# Altium PCB GE21_M1_pku_f100.PcbDoc (part 17 of 19)
Units mm, origin at the board's own origin, x right, y up, seen from the top; angles counter-clockwise.
Board outline 423.9 x 668.59 mm, 8 copper layers (Top Layer, Signal 1, DGNG1, POWER, AGND, DGND2, Signal 2, Bottom Layer), stack 1.03 mm thick; 171 components, 336 nets, 2040 pads, 4872 vias.
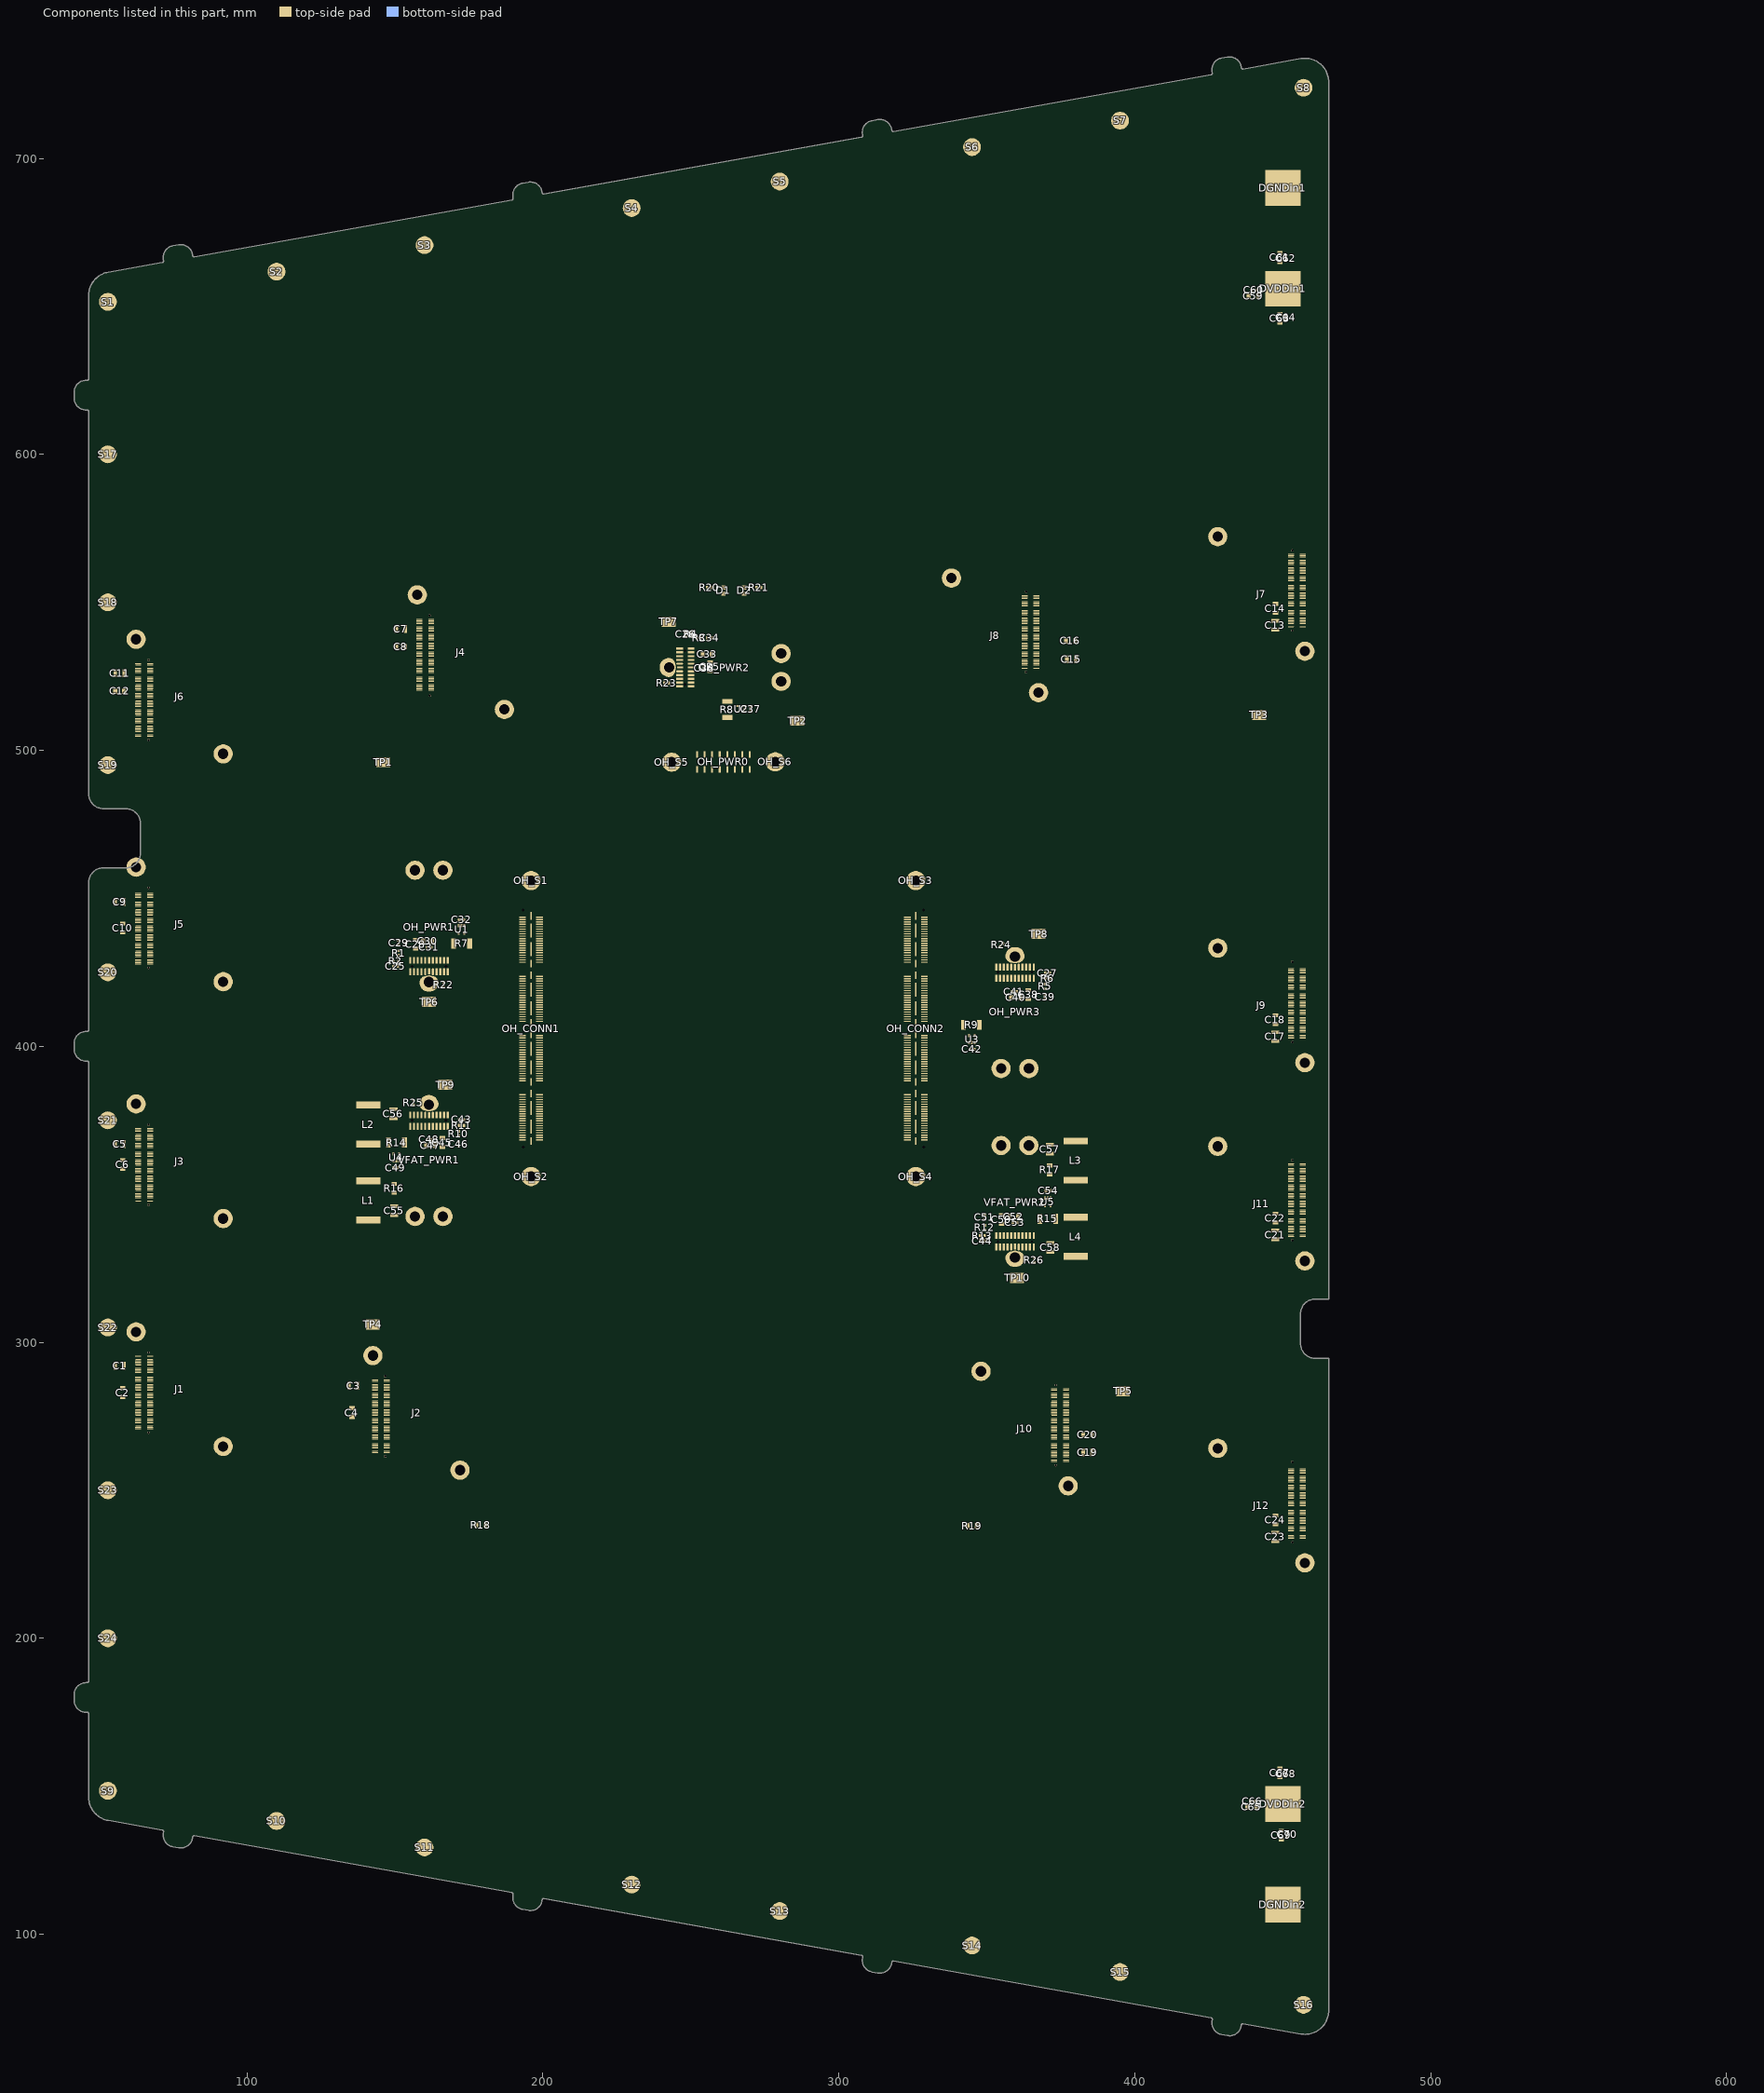
[diagram p23: the components of this part, seen from the top]

## Via types
v1: diameter 0.508, hole 0.203, Top Layer to Bottom Layer, tented both sides, 1688 vias
v2: diameter 0.402/0.402/0.402/0.201 (per signal layer), hole 0.201, Top Layer to Bottom Layer, tented both sides, 1040 vias
v3: diameter 0.507, hole 0.202, Top Layer to Bottom Layer, tented both sides, 780 vias
v4: diameter 0.4, hole 0, Top Layer to Bottom Layer, tented both sides, 438 vias
v5: diameter 0.4, hole 0.2, Top Layer to Bottom Layer, tented both sides, 288 vias
v6: diameter 0.51, hole 0.204, Top Layer to Bottom Layer, tented both sides, 288 vias
v7: diameter 0.6/0.4/0.4/0.4 (per signal layer), hole 0.3, Top Layer to Bottom Layer, tented both sides, 254 vias
v8: diameter 0.402, hole 0.201, Top Layer to Bottom Layer, tented both sides, 96 vias

## Nets (pads, with @x,y where several pads share a name; then routed paths per layer and width w, separated by ;. In a path a pad name is that pad's centre, name@x,y a point inside that pad or via, vN(x,y) a via of type N, cw(c..) or ccw(c..) an arc to the next point about the centre after c; other vN are vias at no path point) (continued)
copper on no net: (continued)
  Top Layer w0.025: 259.958,161.332 260.389,161.332 ; 259.958,164.05 260.339,164.05 ; 259.958,167.657 260.643,167.657 ; 259.958,167.682 260.618,167.682 ; 259.958,170.324 260.796,170.324 ; 259.983,155.389 260.821,155.389 ; 259.983,158.056 260.643,158.056 ; 259.983,158.081 260.669,158.081 ; 259.983,160.748 260.313,160.748 ; 259.983,160.774 260.313,160.774 ; 259.983,160.799 260.339,160.799 ; 259.983,160.824 260.339,160.824 ; 259.983,160.85 260.339,160.85 ; 259.983,160.875 260.339,160.875 ; 259.983,160.901 260.339,160.901 ; 259.983,160.926 260.339,160.926 ; 259.983,160.951 260.339,160.951 ; 259.983,160.977 260.339,160.977 ; 259.983,161.002 260.339,161.002 ; 259.983,161.028 260.339,161.028 ; 259.983,161.053 260.364,161.053 ; 259.983,161.205 260.364,161.205 ; 259.983,161.231 260.364,161.231 ; 259.983,161.256 260.364,161.256 ; 259.983,161.282 260.389,161.282 ; 259.983,167.606 260.669,167.606 ; 259.983,167.632 260.643,167.632 ; 259.983,170.299 260.821,170.299 ; 260.008,155.414 260.847,155.414 ; 260.008,155.44 260.847,155.44 ; 260.008,158.107 260.669,158.107 ; 260.008,158.132 260.694,158.132 ; 260.008,161.078 260.364,161.078 ; 260.008,161.104 260.364,161.104 ; 260.008,161.129 260.364,161.129 ; 260.008,161.155 260.364,161.155 ; 260.008,161.18 260.364,161.18 ; 260.008,167.555 260.694,167.555 ; 260.008,167.581 260.669,167.581 ; 260.008,170.248 260.847,170.248 ; 260.008,170.273 260.847,170.273 ; 260.034,155.465 260.872,155.465 ; 260.034,158.157 260.694,158.157 ; 260.034,158.183 260.694,158.183 ; 260.034,161.891 260.44,161.891 ; 260.034,161.917 260.44,161.917 ; 260.034,167.505 260.694,167.505 ; 260.034,167.53 260.694,167.53 ; 260.034,170.222 260.872,170.222 ; 260.059,155.49 260.897,155.49 ; 260.059,158.208 260.72,158.208 ; 260.059,158.234 260.72,158.234 ; 260.059,161.942 260.44,161.942 ; 260.059,161.967 260.44,161.967 ; 260.059,167.454 260.72,167.454 ; 260.059,167.479 260.72,167.479 ; 260.059,170.197 260.897,170.197 ; 260.085,155.516 260.923,155.516 ; 260.085,155.541 260.923,155.541 ; 260.085,158.259 260.745,158.259 ; 260.085,158.284 260.745,158.284 ; 260.085,158.31 260.77,158.31 ; 260.085,161.993 260.44,161.993 ; 260.085,162.018 260.44,162.018 ; 260.085,162.044 260.466,162.044 ; 260.085,167.403 260.745,167.403 ; 260.085,167.428 260.745,167.428 ; 260.085,170.146 260.923,170.146 ; 260.085,170.172 260.923,170.172 ; 260.11,155.567 260.948,155.567 ; 260.11,158.335 260.77,158.335 ; 260.11,158.361 260.77,158.361 ; 260.11,162.069 260.466,162.069 ; 260.11,162.094 260.466,162.094 ; 260.11,162.12 260.466,162.12 ; 260.11,162.145 260.466,162.145 ; 260.11,162.171 260.466,162.171 ; 260.11,167.352 260.77,167.352 ; 260.11,167.378 260.77,167.378 ; 260.11,170.121 260.948,170.121 ; 260.135,155.592 260.974,155.592 ; 260.135,155.617 260.974,155.617 ; 260.135,158.386 260.796,158.386 ; 260.135,158.411 260.796,158.411 ; 260.135,162.196 260.466,162.196 ; 260.135,162.221 260.466,162.221 ; 260.135,162.247 260.466,162.247 ; 260.135,162.272 260.491,162.272 ; 260.135,162.298 260.491,162.298 ; 260.135,162.323 260.491,162.323 ; 260.135,162.348 260.491,162.348 ; 260.135,162.374 260.491,162.374 ; 260.135,162.399 260.491,162.399 ; 260.135,162.425 260.466,162.425 ; 260.135,162.45 260.44,162.45 ; 260.135,162.475 260.389,162.475 ; 260.135,164.076 260.313,164.076 ; 260.135,167.276 260.796,167.276 ; 260.135,167.301 260.796,167.301 ; 260.135,167.327 260.77,167.327 ; 260.135,170.07 260.974,170.07 ; 260.135,170.095 260.974,170.095 ; 260.161,155.643 260.999,155.643 ; 260.161,158.437 260.821,158.437 ; 260.161,158.462 260.821,158.462 ; 260.161,160.723 260.288,160.723 ; 260.161,167.225 260.821,167.225 ; 260.161,167.251 260.821,167.251 ; 260.161,170.045 260.999,170.045 ; 260.186,155.668 261.024,155.668 ; 260.186,158.488 260.821,158.488 ; 260.186,158.513 260.847,158.513 ; 260.186,158.538 260.847,158.538 ; 260.186,167.149 260.847,167.149 ; 260.186,167.174 260.847,167.174 ; 260.186,167.2 260.821,167.2 ; 260.186,169.994 261.024,169.994 ; 260.186,170.019 261.024,170.019 ; 260.212,155.694 261.024,155.694 ; 260.212,155.719 261.05,155.719 ; 260.212,158.564 260.872,158.564 ; 260.212,158.589 260.872,158.589 ; 260.212,167.098 260.872,167.098 ; 260.212,167.124 260.872,167.124 ; 260.212,169.968 261.05,169.968 ; 260.237,155.744 261.075,155.744 ; 260.237,158.615 260.897,158.615 ; 260.237,158.64 260.897,158.64 ; 260.237,167.047 260.897,167.047 ; 260.237,167.073 260.872,167.073 ; 260.237,169.943 261.075,169.943 ; 260.262,155.77 261.075,155.77 ; 260.262,155.795 261.101,155.795 ; 260.262,158.665 260.897,158.665 ; 260.262,158.691 260.923,158.691 ; 260.262,158.716 260.923,158.716 ; 260.262,166.971 260.923,166.971 ; 260.262,166.997 260.923,166.997 ; 260.262,167.022 260.897,167.022 ; 260.262,169.892 261.101,169.892 ; 260.262,169.918 261.075,169.918 ; 260.288,155.821 261.126,155.821 ; 260.288,158.742 260.923,158.742 ; 260.288,158.767 260.948,158.767 ; 260.288,166.92 260.948,166.92 ; 260.288,166.946 260.923,166.946 ; 260.288,169.867 261.126,169.867 ; 260.313,155.846 261.126,155.846 ; 260.313,158.792 260.948,158.792 ; 260.313,158.818 260.974,158.818 ; 260.313,158.843 260.974,158.843 ; 260.313,166.844 260.974,166.844 ; 260.313,166.87 260.974,166.87 ; 260.313,166.895 260.948,166.895 ; 260.313,169.816 261.151,169.816 ; 260.313,169.841 261.126,169.841 ; 260.339,155.871 261.151,155.871 ; 260.339,155.897 261.151,155.897 ; 260.339,158.869 260.974,158.869 ; 260.339,158.894 260.999,158.894 ; 260.339,166.793 260.999,166.793 ; 260.339,166.819 260.974,166.819 ; 260.339,169.791 261.177,169.791 ; 260.364,155.922 261.177,155.922 ; 260.364,158.919 260.999,158.919 ; 260.364,158.945 260.999,158.945 ; 260.364,158.97 261.024,158.97 ; 260.364,166.717 261.024,166.717 ; 260.364,166.743 260.999,166.743 ; 260.364,166.768 260.999,166.768 ; 260.364,169.765 261.177,169.765 ; 260.389,155.948 261.202,155.948 ; 260.389,155.973 261.202,155.973 ; 260.389,158.996 261.024,158.996 ; 260.389,159.021 261.05,159.021 ; 260.389,166.641 261.05,166.641 ; 260.389,166.666 261.024,166.666 ; 260.389,166.692 261.024,166.692 ; 260.389,169.714 261.202,169.714 ; 260.389,169.74 261.202,169.74 ; 260.415,155.998 261.228,155.998 ; 260.415,159.046 261.05,159.046 ; 260.415,159.072 261.05,159.072 ; 260.415,159.097 261.075,159.097 ; 260.415,166.59 261.075,166.59 ; 260.415,166.616 261.05,166.616 ; 260.415,169.664 261.253,169.664 ; 260.415,169.689 261.228,169.689 ; 260.44,156.024 261.253,156.024 ; 260.44,156.049 261.253,156.049 ; 260.44,159.123 261.075,159.123 ; 260.44,159.148 261.075,159.148 ; 260.44,159.173 261.101,159.173 ; 260.44,166.514 261.101,166.514 ; 260.44,166.539 261.075,166.539 ; 260.44,166.565 261.075,166.565 ; 260.44,169.638 261.253,169.638 ; 260.466,156.075 261.278,156.075 ; 260.466,159.199 261.101,159.199 ; 260.466,159.224 261.101,159.224 ; 260.466,159.25 261.126,159.25 ; 260.466,166.438 261.126,166.438 ; 260.466,166.463 261.101,166.463 ; 260.466,166.489 261.101,166.489 ; 260.466,169.613 261.278,169.613 ; 260.491,156.1 261.304,156.1 ; 260.491,156.125 261.304,156.125 ; 260.491,159.275 261.126,159.275 ; 260.491,159.3 261.126,159.3 ; 260.491,159.326 261.151,159.326 ; 260.491,166.362 261.151,166.362 ; 260.491,166.387 261.126,166.387 ; 260.491,166.412 261.126,166.412 ; 260.491,169.562 261.304,169.562 ; 260.491,169.587 261.304,169.587 ; 260.516,156.151 261.329,156.151 ; 260.516,159.351 261.151,159.351 ; 260.516,159.377 261.151,159.377 ; 260.516,159.402 261.177,159.402 ; 260.516,166.311 261.151,166.311 ; 260.516,166.336 261.151,166.336 ; 260.516,169.537 261.329,169.537 ; 260.542,156.176 261.329,156.176 ; 260.542,156.202 261.355,156.202 ; 260.542,159.427 261.177,159.427 ; 260.542,159.453 261.177,159.453 ; 260.542,159.478 261.202,159.478 ; 260.542,166.209 261.202,166.209 ; 260.542,166.235 261.177,166.235 ; 260.542,166.26 261.177,166.26 ; 260.542,166.285 261.177,166.285 ; 260.542,169.486 261.355,169.486 ; 260.542,169.511 261.329,169.511 ; 260.567,156.227 261.355,156.227 ; 260.567,156.252 261.38,156.252 ; 260.567,159.504 261.202,159.504 ; 260.567,159.529 261.202,159.529 ; 260.567,159.554 261.202,159.554 ; 260.567,166.133 261.202,166.133 ; 260.567,166.158 261.202,166.158 ; 260.567,166.184 261.202,166.184 ; 260.567,169.435 261.38,169.435 ; 260.567,169.46 261.355,169.46 ; 260.593,156.278 261.405,156.278 ; 260.593,159.58 261.228,159.58 ; 260.593,159.605 261.228,159.605 ; 260.593,159.631 261.228,159.631 ; 260.593,166.057 261.228,166.057 ; 260.593,166.082 261.228,166.082 ; 260.593,166.108 261.228,166.108 ; 260.593,169.41 261.405,169.41 ; 260.618,156.303 261.405,156.303 ; 260.618,156.329 261.431,156.329 ; 260.618,159.656 261.253,159.656 ; 260.618,159.681 261.253,159.681 ; 260.618,159.707 261.253,159.707 ; 260.618,165.981 261.253,165.981 ; 260.618,166.006 261.253,166.006 ; 260.618,166.031 261.253,166.031 ; 260.618,169.359 261.431,169.359 ; 260.618,169.384 261.405,169.384 ; 260.643,156.354 261.431,156.354 ; 260.643,159.732 261.253,159.732 ; 260.643,159.758 261.278,159.758 ; 260.643,159.783 261.278,159.783 ; 260.643,165.904 261.278,165.904 ; 260.643,165.93 261.278,165.93 ; 260.643,165.955 261.253,165.955 ; 260.643,169.333 261.431,169.333 ; 260.669,156.379 261.456,156.379 ; 260.669,156.405 261.482,156.405 ; 260.669,159.808 261.278,159.808 ; 260.669,159.834 261.278,159.834 ; 260.669,159.859 261.304,159.859 ; 260.669,159.885 261.304,159.885 ; 260.669,165.803 261.304,165.803 ; 260.669,165.828 261.304,165.828 ; 260.669,165.854 261.304,165.854 ; 260.669,165.879 261.278,165.879 ; 260.669,169.283 261.482,169.283 ; 260.669,169.308 261.456,169.308 ; 260.694,156.43 261.482,156.43 ; 260.694,156.456 261.507,156.456 ; 260.694,159.91 261.304,159.91 ; 260.694,159.935 261.329,159.935 ; 260.694,159.961 261.329,159.961 ; 260.694,165.701 261.329,165.701 ; 260.694,165.727 261.329,165.727 ; 260.694,165.752 261.329,165.752 ; 260.694,165.777 261.304,165.777 ; 260.694,169.232 261.507,169.232 ; 260.694,169.257 261.482,169.257 ; 260.72,156.481 261.507,156.481 ; 260.72,159.986 261.329,159.986 ; 260.72,160.012 261.329,160.012 ; 260.72,160.037 261.355,160.037 ; 260.72,160.062 261.355,160.062 ; 260.72,165.625 261.355,165.625 ; 260.72,165.65 261.355,165.65 ; 260.72,165.676 261.329,165.676 ; 260.72,169.206 261.507,169.206 ; 260.745,156.506 261.532,156.506 ; 260.745,156.532 261.532,156.532 ; 260.745,160.088 261.355,160.088 ; 260.745,160.113 261.355,160.113 ; 260.745,160.139 261.38,160.139 ; 260.745,160.164 261.38,160.164 ; 260.745,165.523 261.38,165.523 ; 260.745,165.549 261.355,165.549 ; 260.745,165.574 261.355,165.574 ; 260.745,165.6 261.355,165.6 ; 260.745,169.156 261.532,169.156 ; 260.745,169.181 261.532,169.181 ; 260.77,156.557 261.558,156.557 ; 260.77,156.583 261.583,156.583 ; 260.77,160.189 261.38,160.189 ; 260.77,160.215 261.38,160.215 ; 260.77,160.24 261.38,160.24 ; 260.77,160.266 261.405,160.266 ; 260.77,160.291 261.405,160.291 ; 260.77,165.396 261.405,165.396 ; 260.77,165.422 261.405,165.422 ; 260.77,165.447 261.38,165.447 ; 260.77,165.473 261.38,165.473 ; 260.77,165.498 261.38,165.498 ; 260.77,169.105 261.558,169.105 ; 260.77,169.13 261.558,169.13 ; 260.796,156.608 261.583,156.608 ; 260.796,160.316 261.405,160.316 ; 260.796,160.342 261.405,160.342 ; 260.796,160.367 261.431,160.367 ; 260.796,160.393 261.431,160.393 ; 260.796,165.295 261.431,165.295 ; 260.796,165.32 261.431,165.32 ; 260.796,165.346 261.405,165.346 ; 260.796,165.371 261.405,165.371 ; 260.796,169.079 261.583,169.079 ; 260.821,156.633 261.609,156.633 ; 260.821,156.659 261.609,156.659 ; 260.821,160.418 261.431,160.418 ; 260.821,160.443 261.431,160.443 ; 260.821,160.469 261.431,160.469 ; 260.821,160.494 261.456,160.494 ; 260.821,165.193 261.456,165.193 ; 260.821,165.219 261.431,165.219 ; 260.821,165.244 261.431,165.244 ; 260.821,165.269 261.431,165.269 ; 260.821,169.029 261.609,169.029 ; 260.821,169.054 261.609,169.054 ; 260.847,156.684 261.634,156.684 ; 260.847,156.71 261.634,156.71 ; 260.847,160.52 261.456,160.52 ; 260.847,160.545 261.456,160.545 ; 260.847,160.57 261.456,160.57 ; 260.847,160.596 261.456,160.596 ; 260.847,160.621 261.482,160.621 ; 260.847,165.066 261.482,165.066 ; 260.847,165.092 261.456,165.092 ; 260.847,165.117 261.456,165.117 ; 260.847,165.142 261.456,165.142 ; 260.847,165.168 261.456,165.168 ; 260.847,168.978 261.634,168.978 ; 260.847,169.003 261.634,169.003 ; 260.872,156.735 261.659,156.735 ; 260.872,160.647 261.482,160.647 ; 260.872,160.672 261.482,160.672 ; 260.872,160.697 261.482,160.697 ; 260.872,160.723 261.482,160.723 ; 260.872,160.748 261.507,160.748 ; 260.872,164.939 261.507,164.939 ; 260.872,164.965 261.482,164.965 ; 260.872,164.99 261.482,164.99 ; 260.872,165.015 261.482,165.015 ; 260.872,165.041 261.482,165.041 ; 260.872,168.952 261.659,168.952 ; 260.897,156.76 261.659,156.76 ; 260.897,156.786 261.685,156.786 ; 260.897,160.774 261.507,160.774 ; 260.897,160.799 261.507,160.799 ; 260.897,160.824 261.507,160.824 ; 260.897,160.85 261.507,160.85 ; 260.897,160.875 261.532,160.875 ; 260.897,164.812 261.532,164.812 ; 260.897,164.838 261.507,164.838 ; 260.897,164.863 261.507,164.863 ; 260.897,164.888 261.507,164.888 ; 260.897,164.914 261.507,164.914 ; 260.897,168.902 261.685,168.902 ; 260.897,168.927 261.659,168.927 ; 260.923,156.811 261.685,156.811 ; 260.923,156.837 261.71,156.837 ; 260.923,160.901 261.532,160.901 ; 260.923,160.926 261.532,160.926 ; 260.923,160.951 261.532,160.951 ; 260.923,160.977 261.532,160.977 ; 260.923,161.002 261.532,161.002 ; 260.923,161.028 261.558,161.028 ; 260.923,164.66 261.558,164.66 ; 260.923,164.685 261.532,164.685 ; 260.923,164.711 261.532,164.711 ; 260.923,164.736 261.532,164.736 ; 260.923,164.761 261.532,164.761 ; 260.923,164.787 261.532,164.787 ; 260.923,168.851 261.71,168.851 ; 260.923,168.876 261.685,168.876 ; 260.948,156.862 261.71,156.862 ; 260.948,156.887 261.736,156.887 ; 260.948,161.053 261.558,161.053 ; 260.948,161.078 261.558,161.078 ; 260.948,161.104 261.558,161.104 ; 260.948,161.129 261.558,161.129 ; 260.948,161.155 261.558,161.155 ; 260.948,161.18 261.583,161.18 ; 260.948,164.507 261.583,164.507 ; 260.948,164.533 261.558,164.533 ; 260.948,164.558 261.558,164.558 ; 260.948,164.584 261.558,164.584 ; 260.948,164.609 261.558,164.609 ; 260.948,164.634 261.558,164.634 ; 260.948,168.8 261.736,168.8 ; 260.948,168.825 261.71,168.825 ; 260.974,156.913 261.736,156.913 ; 260.974,156.938 261.761,156.938 ; 260.974,161.205 261.583,161.205 ; 260.974,161.231 261.583,161.231 ; 260.974,161.256 261.583,161.256 ; 260.974,161.282 261.583,161.282 ; 260.974,161.307 261.583,161.307 ; 260.974,161.332 261.583,161.332 ; 260.974,161.358 261.609,161.358 ; 260.974,164.33 261.609,164.33 ; 260.974,164.355 261.583,164.355 ; 260.974,164.38 261.583,164.38 ; 260.974,164.406 261.583,164.406 ; 260.974,164.431 261.583,164.431 ; 260.974,164.457 261.583,164.457 ; 260.974,164.482 261.583,164.482 ; 260.974,168.749 261.761,168.749 ; 260.974,168.775 261.736,168.775 ; 260.999,156.964 261.786,156.964 ; 260.999,161.383 261.609,161.383 ; 260.999,161.409 261.609,161.409 ; 260.999,161.434 261.609,161.434 ; 260.999,161.459 261.609,161.459 ; 260.999,161.485 261.609,161.485 ; 260.999,161.51 261.609,161.51 ; 260.999,161.536 261.609,161.536 ; 260.999,161.561 261.609,161.561 ; 260.999,164.126 261.609,164.126 ; 260.999,164.152 261.609,164.152 ; 260.999,164.177 261.609,164.177 ; 260.999,164.203 261.609,164.203 ; 260.999,164.228 261.609,164.228 ; 260.999,164.253 261.609,164.253 ; 260.999,164.279 261.609,164.279 ; 260.999,164.304 261.609,164.304 ; 260.999,168.724 261.786,168.724 ; 261.024,156.989 261.786,156.989 ; 261.024,157.014 261.786,157.014 ; 261.024,161.586 261.634,161.586 ; 261.024,161.612 261.634,161.612 ; 261.024,161.637 261.634,161.637 ; 261.024,161.663 261.634,161.663 ; 261.024,161.688 261.634,161.688 ; 261.024,161.713 261.634,161.713 ; 261.024,161.739 261.634,161.739 ; 261.024,161.764 261.634,161.764 ; 261.024,161.79 261.634,161.79 ; 261.024,163.898 261.634,163.898 ; 261.024,163.923 261.634,163.923 ; 261.024,163.949 261.634,163.949 ; 261.024,163.974 261.634,163.974 ; 261.024,163.999 261.634,163.999 ; 261.024,164.025 261.634,164.025 ; 261.024,164.05 261.634,164.05 ; 261.024,164.076 261.634,164.076 ; 261.024,164.101 261.634,164.101 ; 261.024,168.673 261.786,168.673 ; 261.024,168.698 261.786,168.698 ; 261.05,157.04 261.812,157.04 ; 261.05,157.065 261.812,157.065 ; 261.05,161.815 261.634,161.815 ; 261.05,161.84 261.659,161.84 ; 261.05,161.866 261.659,161.866 ; 261.05,161.891 261.659,161.891 ; 261.05,161.917 261.659,161.917 ; 261.05,161.942 261.659,161.942 ; 261.05,161.967 261.659,161.967 ; 261.05,161.993 261.659,161.993 ; 261.05,162.018 261.659,162.018 ; 261.05,162.044 261.659,162.044 ; 261.05,162.069 261.659,162.069 ; 261.05,162.094 261.659,162.094 ; 261.05,162.12 261.659,162.12 ; 261.05,163.568 261.659,163.568 ; 261.05,163.593 261.659,163.593 ; 261.05,163.618 261.659,163.618 ; 261.05,163.644 261.659,163.644 ; 261.05,163.669 261.659,163.669 ; 261.05,163.695 261.659,163.695 ; 261.05,163.72 261.659,163.72 ; 261.05,163.745 261.659,163.745 ; 261.05,163.771 261.659,163.771 ; 261.05,163.796 261.659,163.796 ; 261.05,163.822 261.659,163.822 ; 261.05,163.847 261.659,163.847 ; 261.05,163.872 261.634,163.872 ; 261.05,168.622 261.812,168.622 ; 261.05,168.648 261.812,168.648 ; 261.075,157.091 261.837,157.091 ; 261.075,157.116 261.837,157.116 ; 261.075,162.145 261.685,162.145 ; 261.075,162.171 261.685,162.171 ; 261.075,162.196 261.685,162.196 ; 261.075,162.221 261.685,162.221 ; 261.075,162.247 261.685,162.247 ; 261.075,162.272 261.685,162.272 ; 261.075,162.298 261.685,162.298 ; 261.075,162.323 261.685,162.323 ; 261.075,162.348 261.685,162.348 ; 261.075,162.374 261.685,162.374 ; 261.075,162.399 261.685,162.399 ; 261.075,162.425 261.685,162.425 ; 261.075,162.45 261.685,162.45 ; 261.075,162.475 261.685,162.475 ; 261.075,162.501 261.685,162.501 ; 261.075,162.526 261.685,162.526 ; 261.075,162.552 261.685,162.552 ; 261.075,162.577 261.685,162.577 ; 261.075,162.602 261.685,162.602 ; 261.075,162.628 261.685,162.628 ; 261.075,162.653 261.685,162.653 ; 261.075,162.679 261.685,162.679 ; 261.075,162.704 261.685,162.704 ; 261.075,162.729 261.685,162.729 ; 261.075,162.755 261.685,162.755 ; 261.075,162.78 261.685,162.78 ; 261.075,162.806 261.685,162.806 ; 261.075,162.831 261.685,162.831 ; 261.075,162.856 261.685,162.856 ; 261.075,162.882 261.685,162.882 ; 261.075,162.907 261.685,162.907 ; 261.075,162.933 261.685,162.933 ; 261.075,162.958 261.685,162.958 ; 261.075,162.983 261.685,162.983 ; 261.075,163.009 261.685,163.009 ; 261.075,163.034 261.685,163.034 ; 261.075,163.06 261.685,163.06 ; 261.075,163.085 261.685,163.085 ; 261.075,163.11 261.685,163.11 ; 261.075,163.136 261.685,163.136 ; 261.075,163.161 261.685,163.161 ; 261.075,163.187 261.685,163.187 ; 261.075,163.212 261.685,163.212 ; 261.075,163.237 261.685,163.237 ; 261.075,163.263 261.685,163.263 ; 261.075,163.288 261.685,163.288 ; 261.075,163.314 261.685,163.314 ; 261.075,163.339 261.685,163.339 ; 261.075,163.364 261.685,163.364 ; 261.075,163.39 261.685,163.39 ; 261.075,163.415 261.685,163.415 ; 261.075,163.441 261.685,163.441 ; 261.075,163.466 261.685,163.466 ; 261.075,163.491 261.685,163.491 ; 261.075,163.517 261.685,163.517 ; 261.075,163.542 261.685,163.542 ; 261.075,168.571 261.837,168.571 ; 261.075,168.597 261.837,168.597 ; 261.101,157.141 261.863,157.141 ; 261.101,157.167 261.863,157.167 ; 261.101,168.521 261.863,168.521 ; 261.101,168.546 261.863,168.546 ; 261.126,157.192 261.888,157.192 ; 261.126,157.218 261.888,157.218 ; 261.126,168.47 261.888,168.47 ; 261.126,168.495 261.888,168.495 ; 261.151,157.243 261.913,157.243 ; 261.151,157.268 261.913,157.268 ; 261.151,168.419 261.913,168.419 ; 261.151,168.444 261.913,168.444 ; 261.177,157.294 261.939,157.294 ; 261.177,157.319 261.939,157.319 ; 261.177,168.368 261.939,168.368 ; 261.177,168.394 261.939,168.394 ; 261.202,157.345 261.964,157.345 ; 261.202,157.37 261.964,157.37 ; 261.202,168.343 261.964,168.343 ; 261.228,157.395 261.99,157.395 ; 261.228,157.421 261.99,157.421 ; 261.228,168.267 261.99,168.267 ; 261.228,168.292 261.99,168.292 ; 261.228,168.317 261.964,168.317 ; 261.253,157.446 262.015,157.446 ; 261.253,157.472 262.015,157.472 